# KiCad board PANEL_DRY_ELEC_6CH_THIN.kicad_pcb (continued)
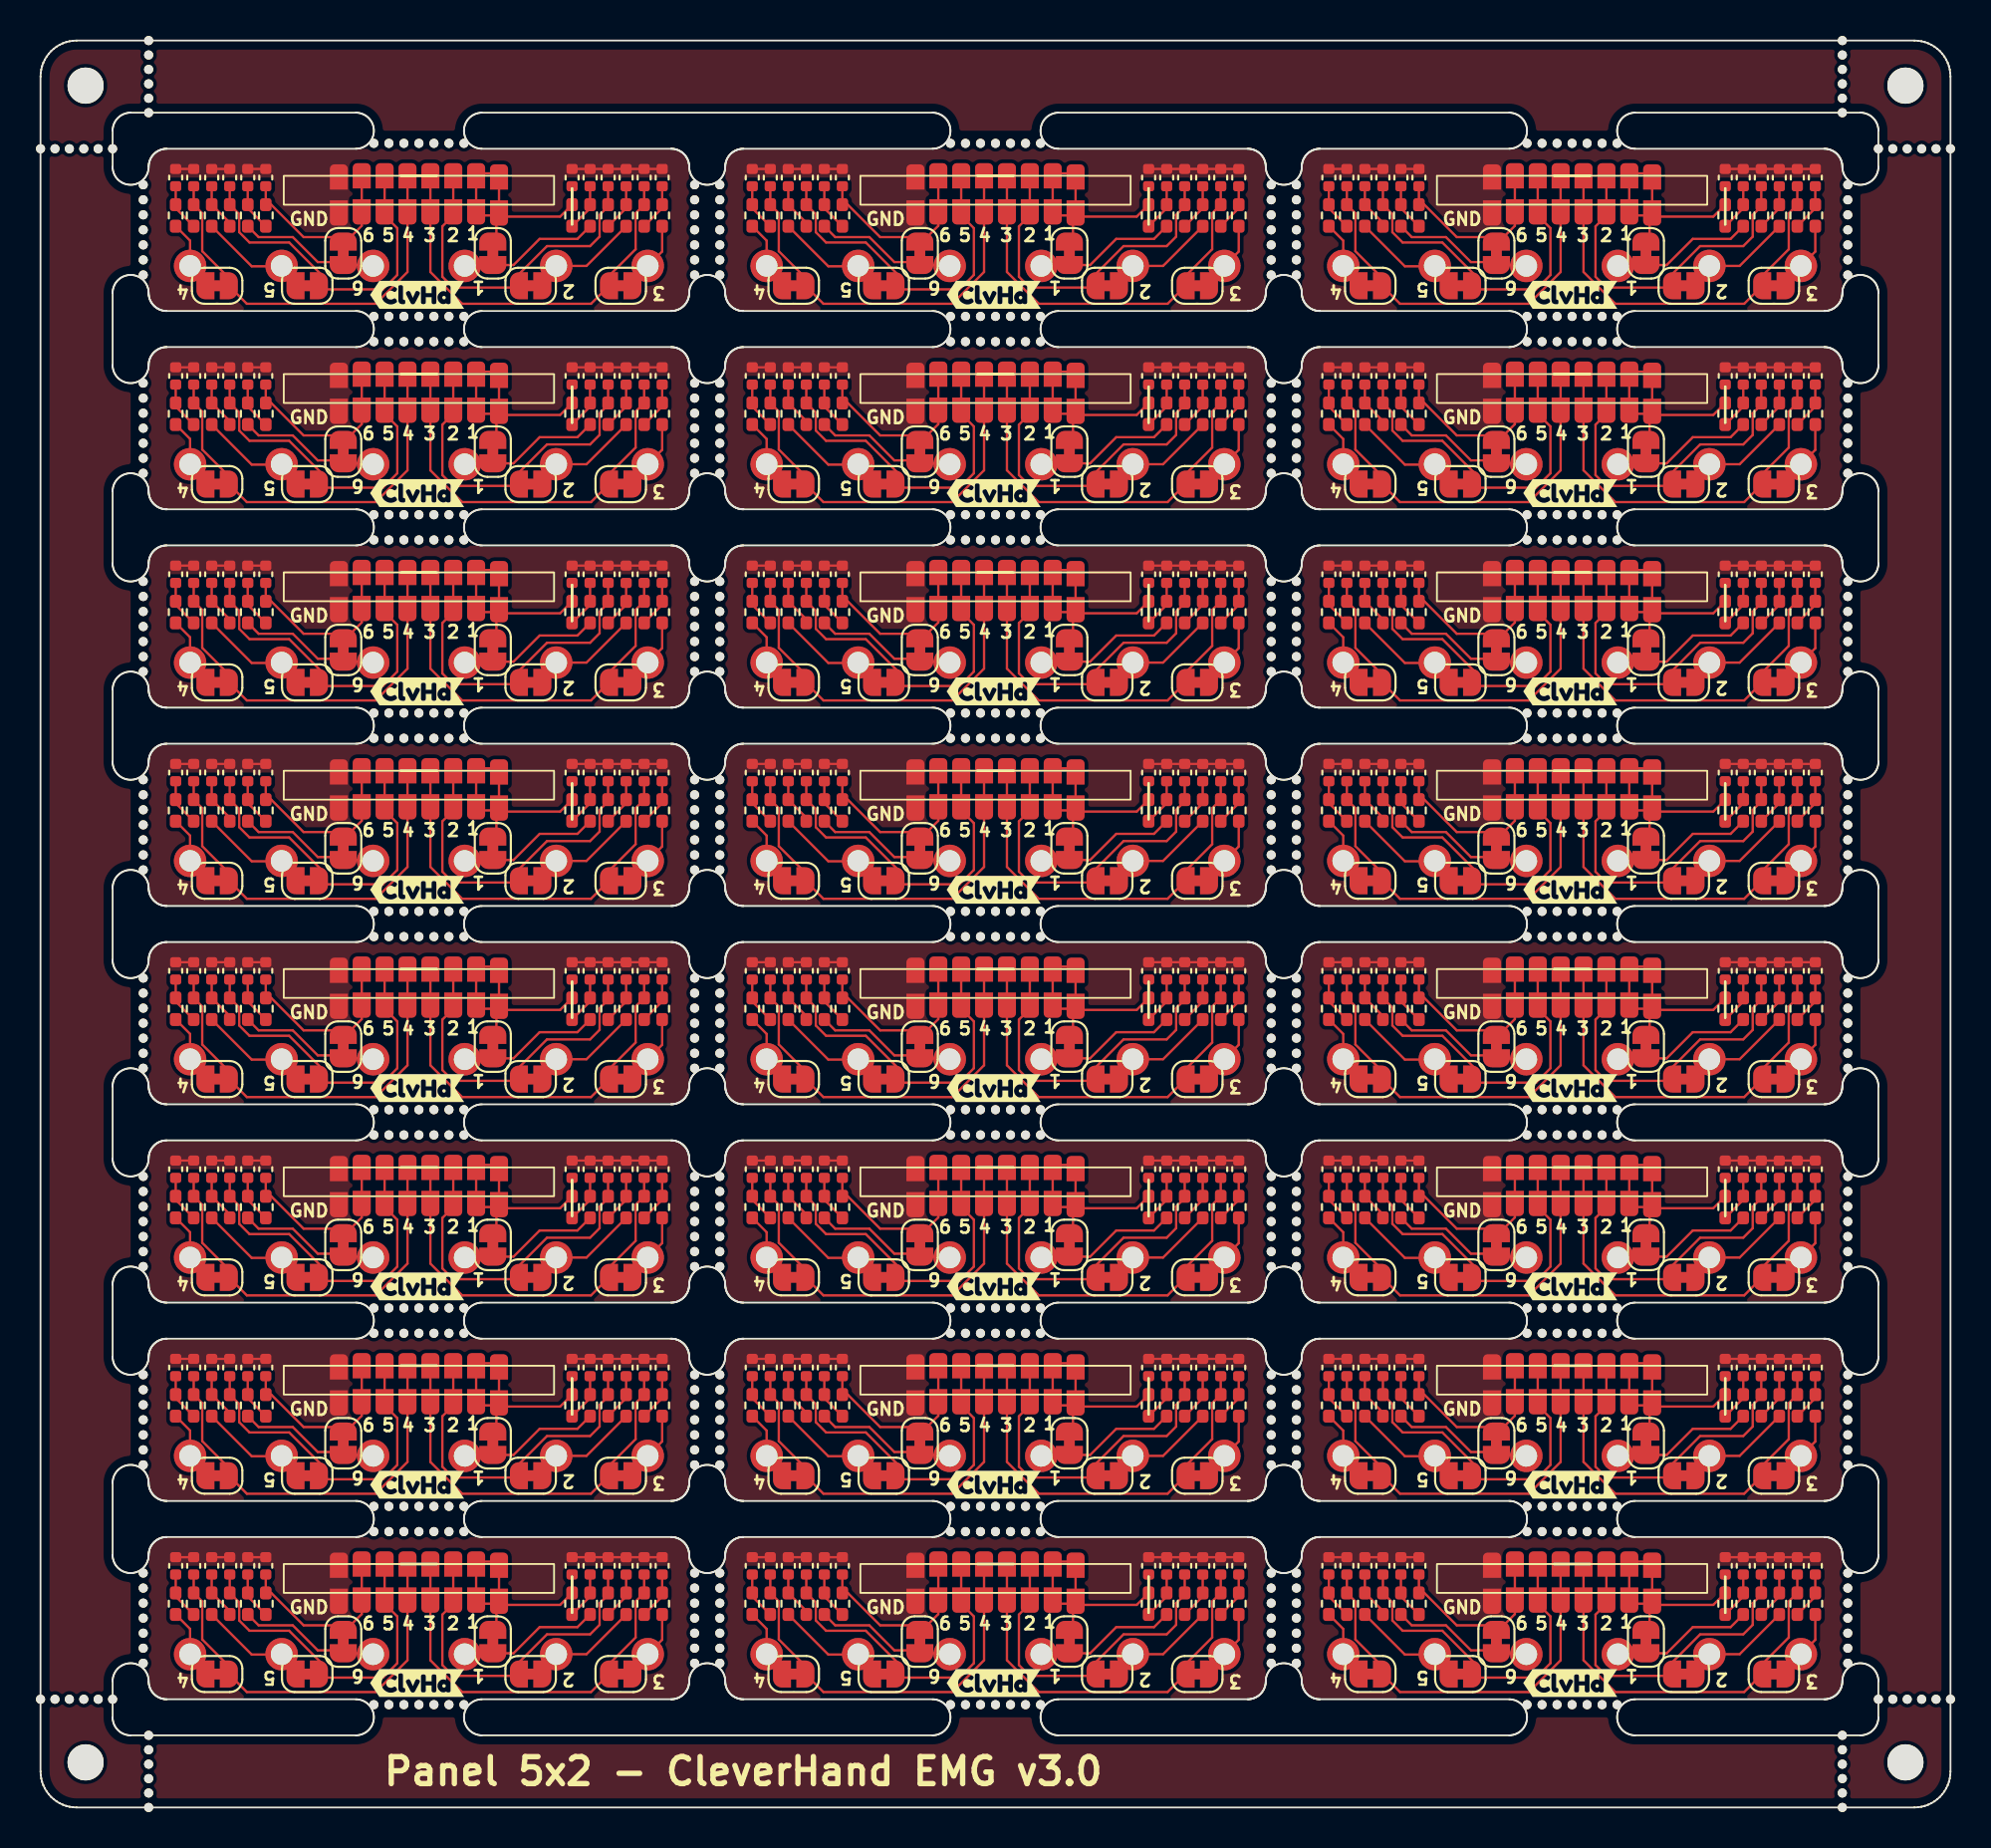
[diagram p0: board, top side]
## Routing (per net, layer and track width the routed paths; a pad name or vN(x,y) marks a point on that pad's centre or on a via; arc(x,y) is an arc through that point) (continued)
Board_23-/IN1: length 14.2
  Top w0.127: 89.3,9.85 89.3,11.09 J16#9.1 ; J16#9.1 89.38,11.3 J15#5.1 J7.1 88.24,13.64 J8#2.1 J16#9.1 ; J16#9.1 92.84,11.23 R2#6.2 C2#6.1
Board_23-/IN2: length 19.6
  Top w0.127: J6#16.1 J14#23.1 86.3,10.69 86.3,7.9 86.9,7.3 90.45,7.3 JP2#20.2 90.55,8.04 92.11,9.6 94.5,9.6 95.03,10.13 95.03,11.33 95.5,11.8 R4#11.2 C4#13.1
Board_23-/IN3: length 22.9
  Top w0.127: J5#17.1 J13#2.1 85.64,8.16 87.4,6.4 94.55,6.4 JP3#14.2 95.55,7.95 97.03,9.43 97.03,11.42 R6#10.2 C6#24.1
Board_23-/IN4: length 22.9
  Top w0.127: J4#15.1 J12#22.1 84.37,8.17 82.6,6.4 75.45,6.4 JP4#3.2 74.45,7.84 72.97,9.32 72.97,11.42 R8#7.2 C8#16.1
Board_23-/IN5: length 19.6
  Top w0.127: C10#15.1 R10#3.2 75.03,11.37 75.03,10.37 75.6,9.8 77.8,9.8 79.75,7.85 79.75,7.2 83,7.2 83.8,8 83.8,10.6 J11#2.1 J3#19.1
Board_23-/IN6: length 10.3
  Top w0.127: J2#2.1 J10#8.1 81.83,10.73 81.2,10.1 78.6,10.1 76.8,11.9 R12#16.2 C12.1
Board_23-GND: length 8
  Top w0.127: C9#6.2 C10#15.2 ; C7#15.2 C8#16.2 ; C2#6.2 C5#6.2 ; C11#18.2 C12.2
Board_23-Net-(C1-Pad1): length 2.6
  Top w0.127: R2#6.1 94.5,11.7 R1#11.2 C1#6.1
Board_23-Net-(C3-Pad1): length 2.6
  Top w0.127: C3#22.1 R3#14.2 96.5,11.7 R4#11.1
Board_23-Net-(C5-Pad1): length 2.6
  Top w0.127: R6#10.1 98.5,11.7 R5.2 C5#6.1
Board_23-Net-(C7-Pad1): length 2.6
  Top w0.127: R8#7.1 71.5,11.7 R7#5.2 C7#15.1
Board_23-Net-(C9-Pad1): length 2.6
  Top w0.127: C9#6.1 R9#19.2 74.5,10.9 R10#3.1
Board_23-Net-(C11-Pad1): length 2.6
  Top w0.127: C11#18.1 R11#13.2 75.5,11.7 R12#16.1

## Copper pours and planes (outline as drawn; the poured copper is in the pictures)
(no net) on Top: 0.53,1.71 0.57,1.56 0.61,1.43 0.68,1.29 0.75,1.17 0.84,1.05 0.94,0.94 1.05,0.84 1.17,0.75 1.29,0.68 1.43,0.61 1.56,0.57 1.71,0.53 1.85,0.51 2.02,0.5 103.98,0.5 104.15,0.51 104.29,0.53 104.44,0.57 104.57,0.61 104.71,0.68 104.83,0.75 104.95,0.84 105.06,0.94 105.16,1.05 105.25,1.17 105.32,1.29 105.39,1.43 105.43,1.56 105.47,1.71 105.49,1.85 105.5,2.02 105.5,95.98 105.49,96.15 105.47,96.29 105.43,96.44 105.39,96.57 105.32,96.71 105.25,96.83 105.16,96.95 105.06,97.06 104.95,97.16 104.83,97.25 104.71,97.32 104.57,97.39 104.44,97.43 104.29,97.47 104.15,97.49 103.98,97.5 2.02,97.5 1.85,97.49 1.71,97.47 1.56,97.43 1.43,97.39 1.29,97.32 1.17,97.25 1.05,97.16 0.94,97.06 0.84,96.95 0.75,96.83 0.68,96.71 0.61,96.57 0.57,96.44 0.53,96.29 0.51,96.15 0.5,95.98 0.5,2.02 0.51,1.85 ; 1 cut-out
(no net) on Bottom: 0.53,1.71 0.57,1.56 0.61,1.43 0.68,1.29 0.75,1.17 0.84,1.05 0.94,0.94 1.05,0.84 1.17,0.75 1.29,0.68 1.43,0.61 1.56,0.57 1.71,0.53 1.85,0.51 2.02,0.5 103.98,0.5 104.15,0.51 104.29,0.53 104.44,0.57 104.57,0.61 104.71,0.68 104.83,0.75 104.95,0.84 105.06,0.94 105.16,1.05 105.25,1.17 105.32,1.29 105.39,1.43 105.43,1.56 105.47,1.71 105.49,1.85 105.5,2.02 105.5,95.98 105.49,96.15 105.47,96.29 105.43,96.44 105.39,96.57 105.32,96.71 105.25,96.83 105.16,96.95 105.06,97.06 104.95,97.16 104.83,97.25 104.71,97.32 104.57,97.39 104.44,97.43 104.29,97.47 104.15,97.49 103.98,97.5 2.02,97.5 1.85,97.49 1.71,97.47 1.56,97.43 1.43,97.39 1.29,97.32 1.17,97.25 1.05,97.16 0.94,97.06 0.84,96.95 0.75,96.83 0.68,96.71 0.61,96.57 0.57,96.44 0.53,96.29 0.51,96.15 0.5,95.98 0.5,2.02 0.51,1.85 ; 1 cut-out
Board_0-/filtering_1/ELECTRODE on Bottom: 21.24,92 25.84,92 25.84,83 21.24,83
Board_0-/filtering_2/ELECTRODE on Bottom: 26.32,92 30.92,92 30.92,83 26.32,83
Board_0-/filtering_3/ELECTRODE on Bottom: 31.4,92 36,92 36,83 31.4,83
Board_0-/filtering_4/ELECTRODE on Bottom: 6,92 10.6,92 10.6,83 6,83
Board_0-/filtering_5/ELECTRODE on Bottom: 11.08,92 15.68,92 15.68,83 11.08,83
Board_0-/filtering_6/ELECTRODE on Bottom: 16.16,92 20.76,92 20.76,83 16.16,83
Board_0-GND on Top, In1.Cu, In2.Cu: 5.82,92.2 36.28,92.2 36.28,82.7 5.82,82.7
Board_1-/filtering_1/ELECTRODE on Bottom: 53.24,92 57.84,92 57.84,83 53.24,83
Board_1-/filtering_2/ELECTRODE on Bottom: 58.32,92 62.92,92 62.92,83 58.32,83
Board_1-/filtering_3/ELECTRODE on Bottom: 63.4,92 68,92 68,83 63.4,83
Board_1-/filtering_4/ELECTRODE on Bottom: 38,92 42.6,92 42.6,83 38,83
Board_1-/filtering_5/ELECTRODE on Bottom: 43.08,92 47.68,92 47.68,83 43.08,83
Board_1-/filtering_6/ELECTRODE on Bottom: 48.16,92 52.76,92 52.76,83 48.16,83
Board_1-GND on Top, In1.Cu, In2.Cu: 37.82,92.2 68.28,92.2 68.28,82.7 37.82,82.7
Board_2-/filtering_1/ELECTRODE on Bottom: 85.24,92 89.84,92 89.84,83 85.24,83
Board_2-/filtering_2/ELECTRODE on Bottom: 90.32,92 94.92,92 94.92,83 90.32,83
Board_2-/filtering_3/ELECTRODE on Bottom: 95.4,92 100,92 100,83 95.4,83
Board_2-/filtering_4/ELECTRODE on Bottom: 70,92 74.6,92 74.6,83 70,83
Board_2-/filtering_5/ELECTRODE on Bottom: 75.08,92 79.68,92 79.68,83 75.08,83
Board_2-/filtering_6/ELECTRODE on Bottom: 80.16,92 84.76,92 84.76,83 80.16,83
Board_2-GND on Top, In1.Cu, In2.Cu: 69.82,92.2 100.28,92.2 100.28,82.7 69.82,82.7
Board_3-/filtering_1/ELECTRODE on Bottom: 21.24,81 25.84,81 25.84,72 21.24,72
Board_3-/filtering_2/ELECTRODE on Bottom: 26.32,81 30.92,81 30.92,72 26.32,72
Board_3-/filtering_3/ELECTRODE on Bottom: 31.4,81 36,81 36,72 31.4,72
Board_3-/filtering_4/ELECTRODE on Bottom: 6,81 10.6,81 10.6,72 6,72
Board_3-/filtering_5/ELECTRODE on Bottom: 11.08,81 15.68,81 15.68,72 11.08,72
Board_3-/filtering_6/ELECTRODE on Bottom: 16.16,81 20.76,81 20.76,72 16.16,72
Board_3-GND on Top, In1.Cu, In2.Cu: 5.82,81.2 36.28,81.2 36.28,71.7 5.82,71.7
Board_4-/filtering_1/ELECTRODE on Bottom: 53.24,81 57.84,81 57.84,72 53.24,72
Board_4-/filtering_2/ELECTRODE on Bottom: 58.32,81 62.92,81 62.92,72 58.32,72
Board_4-/filtering_3/ELECTRODE on Bottom: 63.4,81 68,81 68,72 63.4,72
Board_4-/filtering_4/ELECTRODE on Bottom: 38,81 42.6,81 42.6,72 38,72
Board_4-/filtering_5/ELECTRODE on Bottom: 43.08,81 47.68,81 47.68,72 43.08,72
Board_4-/filtering_6/ELECTRODE on Bottom: 48.16,81 52.76,81 52.76,72 48.16,72
Board_4-GND on Top, In1.Cu, In2.Cu: 37.82,81.2 68.28,81.2 68.28,71.7 37.82,71.7
Board_5-/filtering_1/ELECTRODE on Bottom: 85.24,81 89.84,81 89.84,72 85.24,72
Board_5-/filtering_2/ELECTRODE on Bottom: 90.32,81 94.92,81 94.92,72 90.32,72
Board_5-/filtering_3/ELECTRODE on Bottom: 95.4,81 100,81 100,72 95.4,72
Board_5-/filtering_4/ELECTRODE on Bottom: 70,81 74.6,81 74.6,72 70,72
Board_5-/filtering_5/ELECTRODE on Bottom: 75.08,81 79.68,81 79.68,72 75.08,72
Board_5-/filtering_6/ELECTRODE on Bottom: 80.16,81 84.76,81 84.76,72 80.16,72
Board_5-GND on Top, In1.Cu, In2.Cu: 69.82,81.2 100.28,81.2 100.28,71.7 69.82,71.7
Board_6-/filtering_1/ELECTRODE on Bottom: 21.24,70 25.84,70 25.84,61 21.24,61
Board_6-/filtering_2/ELECTRODE on Bottom: 26.32,70 30.92,70 30.92,61 26.32,61
Board_6-/filtering_3/ELECTRODE on Bottom: 31.4,70 36,70 36,61 31.4,61
Board_6-/filtering_4/ELECTRODE on Bottom: 6,70 10.6,70 10.6,61 6,61
Board_6-/filtering_5/ELECTRODE on Bottom: 11.08,70 15.68,70 15.68,61 11.08,61
Board_6-/filtering_6/ELECTRODE on Bottom: 16.16,70 20.76,70 20.76,61 16.16,61
Board_6-GND on Top, In1.Cu, In2.Cu: 5.82,70.2 36.28,70.2 36.28,60.7 5.82,60.7
Board_7-/filtering_1/ELECTRODE on Bottom: 53.24,70 57.84,70 57.84,61 53.24,61
Board_7-/filtering_2/ELECTRODE on Bottom: 58.32,70 62.92,70 62.92,61 58.32,61
Board_7-/filtering_3/ELECTRODE on Bottom: 63.4,70 68,70 68,61 63.4,61
Board_7-/filtering_4/ELECTRODE on Bottom: 38,70 42.6,70 42.6,61 38,61
Board_7-/filtering_5/ELECTRODE on Bottom: 43.08,70 47.68,70 47.68,61 43.08,61
Board_7-/filtering_6/ELECTRODE on Bottom: 48.16,70 52.76,70 52.76,61 48.16,61
Board_7-GND on Top, In1.Cu, In2.Cu: 37.82,70.2 68.28,70.2 68.28,60.7 37.82,60.7
Board_8-/filtering_1/ELECTRODE on Bottom: 85.24,70 89.84,70 89.84,61 85.24,61
Board_8-/filtering_2/ELECTRODE on Bottom: 90.32,70 94.92,70 94.92,61 90.32,61
Board_8-/filtering_3/ELECTRODE on Bottom: 95.4,70 100,70 100,61 95.4,61
Board_8-/filtering_4/ELECTRODE on Bottom: 70,70 74.6,70 74.6,61 70,61
Board_8-/filtering_5/ELECTRODE on Bottom: 75.08,70 79.68,70 79.68,61 75.08,61
Board_8-/filtering_6/ELECTRODE on Bottom: 80.16,70 84.76,70 84.76,61 80.16,61
Board_8-GND on Top, In1.Cu, In2.Cu: 69.82,70.2 100.28,70.2 100.28,60.7 69.82,60.7
Board_9-/filtering_1/ELECTRODE on Bottom: 21.24,59 25.84,59 25.84,50 21.24,50
Board_9-/filtering_2/ELECTRODE on Bottom: 26.32,59 30.92,59 30.92,50 26.32,50
Board_9-/filtering_3/ELECTRODE on Bottom: 31.4,59 36,59 36,50 31.4,50
Board_9-/filtering_4/ELECTRODE on Bottom: 6,59 10.6,59 10.6,50 6,50
Board_9-/filtering_5/ELECTRODE on Bottom: 11.08,59 15.68,59 15.68,50 11.08,50
Board_9-/filtering_6/ELECTRODE on Bottom: 16.16,59 20.76,59 20.76,50 16.16,50
Board_9-GND on Top, In1.Cu, In2.Cu: 5.82,59.2 36.28,59.2 36.28,49.7 5.82,49.7
Board_10-/filtering_1/ELECTRODE on Bottom: 53.24,59 57.84,59 57.84,50 53.24,50
Board_10-/filtering_2/ELECTRODE on Bottom: 58.32,59 62.92,59 62.92,50 58.32,50
Board_10-/filtering_3/ELECTRODE on Bottom: 63.4,59 68,59 68,50 63.4,50
Board_10-/filtering_4/ELECTRODE on Bottom: 38,59 42.6,59 42.6,50 38,50
Board_10-/filtering_5/ELECTRODE on Bottom: 43.08,59 47.68,59 47.68,50 43.08,50
Board_10-/filtering_6/ELECTRODE on Bottom: 48.16,59 52.76,59 52.76,50 48.16,50
Board_10-GND on Top, In1.Cu, In2.Cu: 37.82,59.2 68.28,59.2 68.28,49.7 37.82,49.7
Board_11-/filtering_1/ELECTRODE on Bottom: 85.24,59 89.84,59 89.84,50 85.24,50
Board_11-/filtering_2/ELECTRODE on Bottom: 90.32,59 94.92,59 94.92,50 90.32,50
Board_11-/filtering_3/ELECTRODE on Bottom: 95.4,59 100,59 100,50 95.4,50
Board_11-/filtering_4/ELECTRODE on Bottom: 70,59 74.6,59 74.6,50 70,50
Board_11-/filtering_5/ELECTRODE on Bottom: 75.08,59 79.68,59 79.68,50 75.08,50
Board_11-/filtering_6/ELECTRODE on Bottom: 80.16,59 84.76,59 84.76,50 80.16,50
Board_11-GND on Top, In1.Cu, In2.Cu: 69.82,59.2 100.28,59.2 100.28,49.7 69.82,49.7
Board_12-/filtering_1/ELECTRODE on Bottom: 21.24,48 25.84,48 25.84,39 21.24,39
Board_12-/filtering_2/ELECTRODE on Bottom: 26.32,48 30.92,48 30.92,39 26.32,39
Board_12-/filtering_3/ELECTRODE on Bottom: 31.4,48 36,48 36,39 31.4,39
Board_12-/filtering_4/ELECTRODE on Bottom: 6,48 10.6,48 10.6,39 6,39
Board_12-/filtering_5/ELECTRODE on Bottom: 11.08,48 15.68,48 15.68,39 11.08,39
Board_12-/filtering_6/ELECTRODE on Bottom: 16.16,48 20.76,48 20.76,39 16.16,39
Board_12-GND on Top, In1.Cu, In2.Cu: 5.82,48.2 36.28,48.2 36.28,38.7 5.82,38.7
Board_13-/filtering_1/ELECTRODE on Bottom: 53.24,48 57.84,48 57.84,39 53.24,39
Board_13-/filtering_2/ELECTRODE on Bottom: 58.32,48 62.92,48 62.92,39 58.32,39
Board_13-/filtering_3/ELECTRODE on Bottom: 63.4,48 68,48 68,39 63.4,39
Board_13-/filtering_4/ELECTRODE on Bottom: 38,48 42.6,48 42.6,39 38,39
Board_13-/filtering_5/ELECTRODE on Bottom: 43.08,48 47.68,48 47.68,39 43.08,39
Board_13-/filtering_6/ELECTRODE on Bottom: 48.16,48 52.76,48 52.76,39 48.16,39
Board_13-GND on Top, In1.Cu, In2.Cu: 37.82,48.2 68.28,48.2 68.28,38.7 37.82,38.7
Board_14-/filtering_1/ELECTRODE on Bottom: 85.24,48 89.84,48 89.84,39 85.24,39
Board_14-/filtering_2/ELECTRODE on Bottom: 90.32,48 94.92,48 94.92,39 90.32,39
Board_14-/filtering_3/ELECTRODE on Bottom: 95.4,48 100,48 100,39 95.4,39
Board_14-/filtering_4/ELECTRODE on Bottom: 70,48 74.6,48 74.6,39 70,39
Board_14-/filtering_5/ELECTRODE on Bottom: 75.08,48 79.68,48 79.68,39 75.08,39
Board_14-/filtering_6/ELECTRODE on Bottom: 80.16,48 84.76,48 84.76,39 80.16,39
Board_14-GND on Top, In1.Cu, In2.Cu: 69.82,48.2 100.28,48.2 100.28,38.7 69.82,38.7
Board_15-/filtering_1/ELECTRODE on Bottom: 21.24,37 25.84,37 25.84,28 21.24,28
Board_15-/filtering_2/ELECTRODE on Bottom: 26.32,37 30.92,37 30.92,28 26.32,28
Board_15-/filtering_3/ELECTRODE on Bottom: 31.4,37 36,37 36,28 31.4,28
Board_15-/filtering_4/ELECTRODE on Bottom: 6,37 10.6,37 10.6,28 6,28
Board_15-/filtering_5/ELECTRODE on Bottom: 11.08,37 15.68,37 15.68,28 11.08,28
Board_15-/filtering_6/ELECTRODE on Bottom: 16.16,37 20.76,37 20.76,28 16.16,28
Board_15-GND on Top, In1.Cu, In2.Cu: 5.82,37.2 36.28,37.2 36.28,27.7 5.82,27.7
Board_16-/filtering_1/ELECTRODE on Bottom: 53.24,37 57.84,37 57.84,28 53.24,28
Board_16-/filtering_2/ELECTRODE on Bottom: 58.32,37 62.92,37 62.92,28 58.32,28
Board_16-/filtering_3/ELECTRODE on Bottom: 63.4,37 68,37 68,28 63.4,28
Board_16-/filtering_4/ELECTRODE on Bottom: 38,37 42.6,37 42.6,28 38,28
Board_16-/filtering_5/ELECTRODE on Bottom: 43.08,37 47.68,37 47.68,28 43.08,28
Board_16-/filtering_6/ELECTRODE on Bottom: 48.16,37 52.76,37 52.76,28 48.16,28
Board_16-GND on Top, In1.Cu, In2.Cu: 37.82,37.2 68.28,37.2 68.28,27.7 37.82,27.7
Board_17-/filtering_1/ELECTRODE on Bottom: 85.24,37 89.84,37 89.84,28 85.24,28
Board_17-/filtering_2/ELECTRODE on Bottom: 90.32,37 94.92,37 94.92,28 90.32,28
Board_17-/filtering_3/ELECTRODE on Bottom: 95.4,37 100,37 100,28 95.4,28
Board_17-/filtering_4/ELECTRODE on Bottom: 70,37 74.6,37 74.6,28 70,28
Board_17-/filtering_5/ELECTRODE on Bottom: 75.08,37 79.68,37 79.68,28 75.08,28
Board_17-/filtering_6/ELECTRODE on Bottom: 80.16,37 84.76,37 84.76,28 80.16,28
Board_17-GND on Top, In1.Cu, In2.Cu: 69.82,37.2 100.28,37.2 100.28,27.7 69.82,27.7
Board_18-/filtering_1/ELECTRODE on Bottom: 21.24,26 25.84,26 25.84,17 21.24,17
Board_18-/filtering_2/ELECTRODE on Bottom: 26.32,26 30.92,26 30.92,17 26.32,17
Board_18-/filtering_3/ELECTRODE on Bottom: 31.4,26 36,26 36,17 31.4,17
Board_18-/filtering_4/ELECTRODE on Bottom: 6,26 10.6,26 10.6,17 6,17
Board_18-/filtering_5/ELECTRODE on Bottom: 11.08,26 15.68,26 15.68,17 11.08,17
Board_18-/filtering_6/ELECTRODE on Bottom: 16.16,26 20.76,26 20.76,17 16.16,17
Board_18-GND on Top, In1.Cu, In2.Cu: 5.82,26.2 36.28,26.2 36.28,16.7 5.82,16.7
Board_19-/filtering_1/ELECTRODE on Bottom: 53.24,26 57.84,26 57.84,17 53.24,17
Board_19-/filtering_2/ELECTRODE on Bottom: 58.32,26 62.92,26 62.92,17 58.32,17
Board_19-/filtering_3/ELECTRODE on Bottom: 63.4,26 68,26 68,17 63.4,17
Board_19-/filtering_4/ELECTRODE on Bottom: 38,26 42.6,26 42.6,17 38,17
Board_19-/filtering_5/ELECTRODE on Bottom: 43.08,26 47.68,26 47.68,17 43.08,17
Board_19-/filtering_6/ELECTRODE on Bottom: 48.16,26 52.76,26 52.76,17 48.16,17
Board_19-GND on Top, In1.Cu, In2.Cu: 37.82,26.2 68.28,26.2 68.28,16.7 37.82,16.7
Board_20-/filtering_1/ELECTRODE on Bottom: 85.24,26 89.84,26 89.84,17 85.24,17
Board_20-/filtering_2/ELECTRODE on Bottom: 90.32,26 94.92,26 94.92,17 90.32,17
Board_20-/filtering_3/ELECTRODE on Bottom: 95.4,26 100,26 100,17 95.4,17
Board_20-/filtering_4/ELECTRODE on Bottom: 70,26 74.6,26 74.6,17 70,17
Board_20-/filtering_5/ELECTRODE on Bottom: 75.08,26 79.68,26 79.68,17 75.08,17
Board_20-/filtering_6/ELECTRODE on Bottom: 80.16,26 84.76,26 84.76,17 80.16,17
Board_20-GND on Top, In1.Cu, In2.Cu: 69.82,26.2 100.28,26.2 100.28,16.7 69.82,16.7
Board_21-/filtering_1/ELECTRODE on Bottom: 21.24,15 25.84,15 25.84,6 21.24,6
Board_21-/filtering_2/ELECTRODE on Bottom: 26.32,15 30.92,15 30.92,6 26.32,6
Board_21-/filtering_3/ELECTRODE on Bottom: 31.4,15 36,15 36,6 31.4,6
Board_21-/filtering_4/ELECTRODE on Bottom: 6,15 10.6,15 10.6,6 6,6
Board_21-/filtering_5/ELECTRODE on Bottom: 11.08,15 15.68,15 15.68,6 11.08,6
Board_21-/filtering_6/ELECTRODE on Bottom: 16.16,15 20.76,15 20.76,6 16.16,6
Board_21-GND on Top, In1.Cu, In2.Cu: 5.82,15.2 36.28,15.2 36.28,5.7 5.82,5.7
Board_22-/filtering_1/ELECTRODE on Bottom: 53.24,15 57.84,15 57.84,6 53.24,6
Board_22-/filtering_2/ELECTRODE on Bottom: 58.32,15 62.92,15 62.92,6 58.32,6
Board_22-/filtering_3/ELECTRODE on Bottom: 63.4,15 68,15 68,6 63.4,6
Board_22-/filtering_4/ELECTRODE on Bottom: 38,15 42.6,15 42.6,6 38,6
Board_22-/filtering_5/ELECTRODE on Bottom: 43.08,15 47.68,15 47.68,6 43.08,6
Board_22-/filtering_6/ELECTRODE on Bottom: 48.16,15 52.76,15 52.76,6 48.16,6
Board_22-GND on Top, In1.Cu, In2.Cu: 37.82,15.2 68.28,15.2 68.28,5.7 37.82,5.7
Board_23-/filtering_1/ELECTRODE on Bottom: 85.24,15 89.84,15 89.84,6 85.24,6
Board_23-/filtering_2/ELECTRODE on Bottom: 90.32,15 94.92,15 94.92,6 90.32,6
Board_23-/filtering_3/ELECTRODE on Bottom: 95.4,15 100,15 100,6 95.4,6
Board_23-/filtering_4/ELECTRODE on Bottom: 70,15 74.6,15 74.6,6 70,6
Board_23-/filtering_5/ELECTRODE on Bottom: 75.08,15 79.68,15 79.68,6 75.08,6
Board_23-/filtering_6/ELECTRODE on Bottom: 80.16,15 84.76,15 84.76,6 80.16,6
Board_23-GND on Top, In1.Cu, In2.Cu: 69.82,15.2 100.28,15.2 100.28,5.7 69.82,5.7

## Text on the board
F.Silkscreen: GND | 6 | 5 | 4 | 3 | 2 | 1 | Panel 5x2 - CleverHand EMG v3.0
